# Altium PCB eRTM15_Baikal.PcbDoc (part 3 of 7)
Units mm, origin at the board's own origin, x right, y up, seen from the top; angles counter-clockwise.
Board outline 161.5 x 148.5 mm, 8 copper layers (Top Layer, RF_Layer_1, GND_PWR_Plane, RF_Layer_3, RF_Layer_4, GND_PWR_Plane_2, RF_Layer_6, Bottom Layer), stack 1.462 mm thick; 749 components, 528 nets, 2540 pads, 2420 vias.
Unrouted connection lines stored in the file: 24.
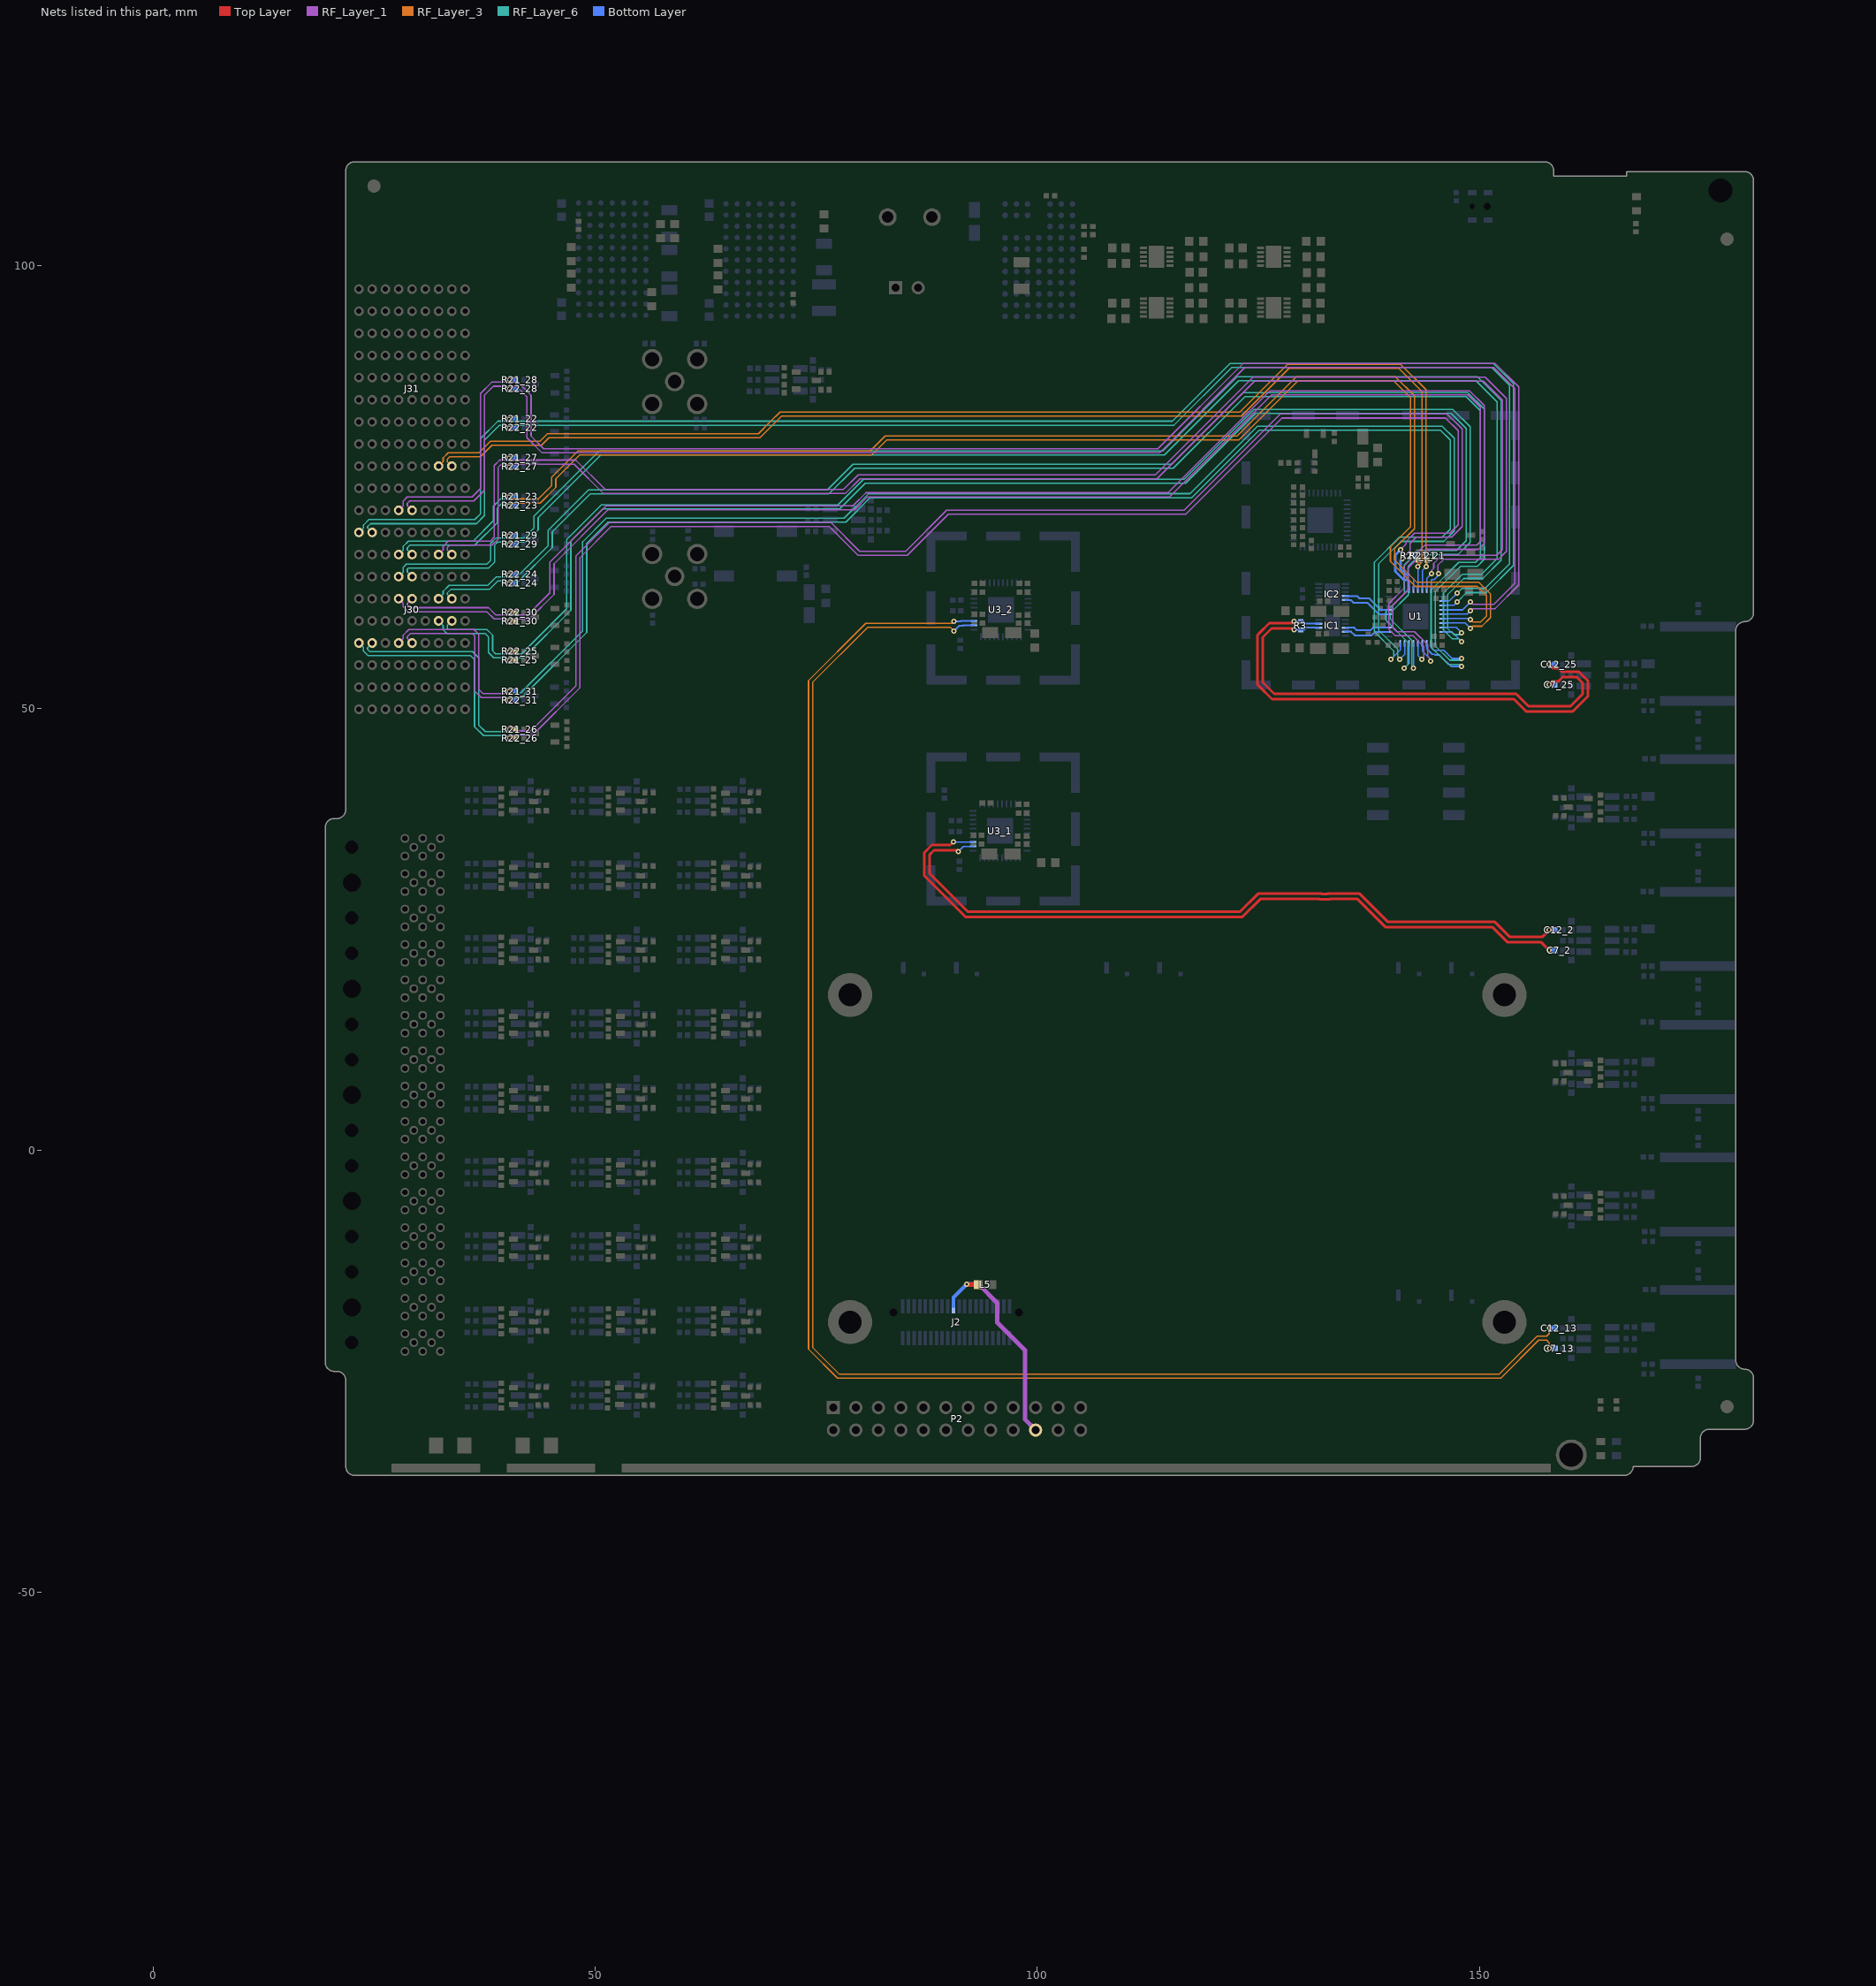
[diagram p9: the nets of this part, all layers, seen from the top]

## Footprints (in the part's own frame and the unit in brackets; to place one, negate y for a bottom-side part, rotate by r counter-clockwise, add the part's x,y. Pads: shape width x height; smd on the part's side, far side on the other; paste and mask are expansions set on the pad)
"4-pin Switch" [mm] "Microschalter fuer AMC-Modul"
  rect 1x0.6 smd: A(-0.9,1.55) B(-0.9,-1.55) C(0.9,1.55) D(0.9,-1.55)
  silkscreen extent -1.75,-2.3 1.75,2.85, body extent -1.75,-1.65 1.75,1.65, height 3.9
0603LED [mm] "ecommended by DESY ZE"
  rect 0.8x1 smd: 1(-0.8,0) 2(0.8,0)
  silkscreen extent -1.27,-0.76 1.65,0.76, body extent -0.8,-0.4 0.8,0.4, height 0.5
1206_ZE [mm]
  rect 1.6x1.8 smd: 1(-1.6,0) 2(1.6,0)
  silkscreen extent -2.5,-1.2 2.5,1.2, body extent -1.6,-0.8 1.6,0.8, height 1.5
ADI-CP-40-8_M [mm] "QFN, 40-Leads, Body 6x6mm, Pitch 0.5mm, Thermal Pad 2.9x2.9mm, IPC Low Density"
  oval 0.8x0.2 smd: 1(-3.05,2.25) 2(-3.05,1.75) 3(-3.05,1.25) 4(-3.05,0.75) 5(-3.05,0.25) 6(-3.05,-0.25) 7(-3.05,-0.75) 8(-3.05,-1.25) 9(-3.05,-1.75) 10(-3.05,-2.25) 21(3.05,-2.25) 22(3.05,-1.75) 23(3.05,-1.25) 24(3.05,-0.75) 25(3.05,-0.25) 26(3.05,0.25) 27(3.05,0.75) 28(3.05,1.25) 29(3.05,1.75) 30(3.05,2.25)
  oval 0.2x0.8 smd: 11(-2.25,-3.05) 12(-1.75,-3.05) 13(-1.25,-3.05) 14(-0.75,-3.05) 15(-0.25,-3.05) 16(0.25,-3.05) 17(0.75,-3.05) 18(1.25,-3.05) 19(1.75,-3.05) 20(2.25,-3.05) 31(2.25,3.05) 32(1.75,3.05) 33(1.25,3.05) 34(0.75,3.05) 35(0.25,3.05) 36(-0.25,3.05) 37(-0.75,3.05) 38(-1.25,3.05) 39(-1.75,3.05) 40(-2.25,3.05)
  rect 2.9x2.9 smd: 41(0,0)
  silkscreen extent -3.92,-3.15 3.15,3.15, body extent -3,-3 3,3, height 1
BGA77C127P7X11_900X1500X262 [mm] "BGA, 1.27mm Pitch, Rect.; 77 Pin, 7 Columns X 11 Rows, 9.00mm X 15.00mm X 2.62mm H"
  round 0.6 smd: A1(-3.81,6.35) A2(-2.54,6.35) A3(-1.27,6.35) A4(0,6.35) A5(1.27,6.35) A6(2.54,6.35) A7(3.81,6.35) B1(-3.81,5.08) B2(-2.54,5.08) B3(-1.27,5.08) B4(0,5.08) B5(1.27,5.08) B6(2.54,5.08) B7(3.81,5.08) C1(-3.81,3.81) C2(-2.54,3.81) C3(-1.27,3.81) C4(0,3.81) C5(1.27,3.81) C6(2.54,3.81) C7(3.81,3.81) D1(-3.81,2.54) D2(-2.54,2.54) D3(-1.27,2.54) D4(0,2.54) D5(1.27,2.54) D6(2.54,2.54) D7(3.81,2.54) E1(-3.81,1.27) E2(-2.54,1.27) E3(-1.27,1.27) E4(0,1.27) E5(1.27,1.27) E6(2.54,1.27) E7(3.81,1.27) F1(-3.81,0) F2(-2.54,0) F3(-1.27,0) F4(0,0) F5(1.27,0) F6(2.54,0) F7(3.81,0) G1(-3.81,-1.27) G2(-2.54,-1.27) G3(-1.27,-1.27) G4(0,-1.27) G5(1.27,-1.27) G6(2.54,-1.27) G7(3.81,-1.27) H1(-3.81,-2.54) H2(-2.54,-2.54) H3(-1.27,-2.54) H4(0,-2.54) H5(1.27,-2.54) H6(2.54,-2.54) H7(3.81,-2.54) J1(-3.81,-3.81) J2(-2.54,-3.81) J3(-1.27,-3.81) J4(0,-3.81) J5(1.27,-3.81) J6(2.54,-3.81) J7(3.81,-3.81) K1(-3.81,-5.08) K2(-2.54,-5.08) K3(-1.27,-5.08) K4(0,-5.08) K5(1.27,-5.08) K6(2.54,-5.08) K7(3.81,-5.08) L1(-3.81,-6.35) L2(-2.54,-6.35) L3(-1.27,-6.35) L4(0,-6.35) L5(1.27,-6.35) L6(2.54,-6.35) L7(3.81,-6.35)
  silkscreen extent -5.33,-7.5 4.5,7.5, body extent -4.5,-7.5 4.5,7.5, height 2.62
BMI-S-202-F [mm] "Standard two piece gasket, 16x16mm"
  rect 1x4.55 smd: 0(0.5,2.275) 0(0.5,15.025) 0(16.8,2.275) 0(16.8,15.025)
  rect 1x3.8 smd: 0(0.5,8.65) 0(16.8,8.65)
  rect 4.55x1 smd: 0(2.275,0.5) 0(2.275,16.8) 0(15.025,0.5) 0(15.025,16.8)
  rect 3.8x1 smd: 0(8.65,16.8) 0(8.65,0.5)
  body extent 0.1,0.1 17.21,17.21, height 12.8
CAPC0402(1005)60_M [mm] "Chip Capacitor, Body 1.0x0.5mm, Height 0.6mm, IPC Low Density"
  rect 0.72x0.72 smd: 1(-0.5,0) 2(0.5,0)
  body extent -0.55,-0.3 0.55,0.3, height 0.6
CAPC1005X55N [mm] "Chip Capacitor, Body 1.0x0.55mm, IPC Medium Density"
  rect 0.62x0.62 smd: 1(-0.45,0) 2(0.45,0)
  body extent -0.52,-0.27 0.53,0.28, height 0.55
CAPC1608X87N [mm] "Chip Capacitor, Body 1.6x0.8mm IPC Medium Density"
  rect 0.95x1 smd: 1(-0.8,0) 2(0.8,0)
  body extent -0.87,-0.47 0.88,0.48, height 0.87
CAPC1709X95N [mm] "Capacitor, non-Polarized, Chip; 1.65mm L X 0.85mm W X 0.95mm H,IPC Medium Density"
  rect 0.95x1 smd: 1(-0.75,0) 2(0.75,0)
  body extent -0.87,-0.47 0.88,0.48, height 0.95
CAPC3216X180N [mm] "Chip Capacitor, Body 3.2x1.6mm, IPC Medium Density"
  rect 1.15x1.8 smd: 1(-1.5,0) 2(1.5,0)
  silkscreen extent -0.55,-0.8 0.55,0.8, body extent -1.7,-0.9 1.7,0.9, height 1.8
CAPC3225X270N [mm] "Chip Capacitor, Body 3.2x2.5mm, IPC Medium Density"
  rect 1.15x2.7 smd: 1(-1.5,0) 2(1.5,0)
  silkscreen extent -0.55,-1.25 0.55,1.25, body extent -1.7,-1.35 1.7,1.35, height 2.7
CAPMP3216X180N [mm] "Capacitor, Polarized, Molded  Body 3.2x1.6mm, IPC Medium Density"
  rect 1.8x1.25 smd: 1(-1.3,0) 2(1.3,0)
  silkscreen extent -2.4,-0.7 0,1.2, body extent -1.7,-0.9 1.7,0.9, height 1.6
Coaxipack2 [mm]
  round 1 hole 0.6: 0(-5,9) 0(-5,11) 0(-5,13) 0(-3,9) 0(-3,11) 0(-3,13) 0(-1,9) 0(-1,11) 0(-1,13) 0(1,9) 0(1,11) 0(1,13) 0(3,9) 0(3,11) 0(3,13) 0(5,9) 0(5,11) 0(5,13) A/1A(4,10) A/1B(0,10) A/1C(-4,10) B/1A(4,12) B/1B(0,12) B/1C(-4,12)
  round 0 hole 1.5 unplated: ""(-4,3) ""(4,3)
  round 0 hole 2.05 unplated: ""(0,3)
  silkscreen extent -6,0.63 6,14, body extent -5.97,-6.5 5.98,13.75, height 9.3
"ERmet ZD 3-10 Connector 973028" [mm]
  round 1.1 hole 0.6: 1a(0,0) 1ab(0,-3) 1b(0,-1.5) 1c(0,-4.5) 1cd(0,-7.5) 1d(0,-6) 1e(0,-9) 1ef(0,-12) 1f(0,-10.5) 2a(2.5,0) 2ab(2.5,-3) 2b(2.5,-1.5) 2c(2.5,-4.5) 2cd(2.5,-7.5) 2d(2.5,-6) 2e(2.5,-9) 2ef(2.5,-12) 2f(2.5,-10.5) 3a(5,0) 3ab(5,-3) 3b(5,-1.5) 3c(5,-4.5) 3cd(5,-7.5) 3d(5,-6) 3e(5,-9) 3ef(5,-12) 3f(5,-10.5) 4a(7.5,0) 4ab(7.5,-3) 4b(7.5,-1.5) 4c(7.5,-4.5) 4cd(7.5,-7.5) 4d(7.5,-6) 4e(7.5,-9) 4ef(7.5,-12) 4f(7.5,-10.5) 5a(10,0) 5ab(10,-3) 5b(10,-1.5) 5c(10,-4.5) 5cd(10,-7.5) 5d(10,-6) 5e(10,-9) 5ef(10,-12) 5f(10,-10.5) 6a(12.5,0) 6ab(12.5,-3) 6b(12.5,-1.5) 6c(12.5,-4.5) 6cd(12.5,-7.5) 6d(12.5,-6) 6e(12.5,-9) 6ef(12.5,-12) 6f(12.5,-10.5) 7a(15,0) 7ab(15,-3) 7b(15,-1.5) 7c(15,-4.5) 7cd(15,-7.5) 7d(15,-6) 7e(15,-9) 7ef(15,-12) 7f(15,-10.5) 8a(17.5,0) 8ab(17.5,-3) 8b(17.5,-1.5) 8c(17.5,-4.5) 8cd(17.5,-7.5) 8d(17.5,-6) 8e(17.5,-9) 8ef(17.5,-12) 8f(17.5,-10.5) 9a(20,0) 9ab(20,-3) 9b(20,-1.5) 9c(20,-4.5) 9cd(20,-7.5) 9d(20,-6) 9e(20,-9) 9ef(20,-12) 9f(20,-10.5) 10a(22.5,0) 10ab(22.5,-3) 10b(22.5,-1.5) 10c(22.5,-4.5) 10cd(22.5,-7.5) 10d(22.5,-6) 10e(22.5,-9) 10ef(22.5,-12) 10f(22.5,-10.5)
  body extent -0.75,-12.55 24.2,11.75, height 12.2
"ESD 1&2" [mm] "ESD Strip, Segment 1 or 2"
  rect 10x1 smd paste-1 mask+0: 1(0,0)
"ESD 3" [mm] "ESD Strip, Segment 3"
  rect 105.1x1 smd paste-1 mask+0: 1(0,0)
  Top Layer region: 52.5,-0.5 57.2,-0.5 57.2,3.9 52.5,3.9
HDR1X2 [mm] "Connector; Header; 2 Position"
  rect 1.5x1.5 hole 0.9: 1(0,0)
  round 1.5 hole 0.9: 2(2.54,0)
  silkscreen extent -1.27,-1.27 3.81,1.27
HDR2X12 [mm] "Connector; Header; 12x2 Position"
  rect 1.5x1.5 hole 0.9: 1(0,0)
  round 1.5 hole 0.9: 2(0,2.54) 3(2.54,0) 4(2.54,2.54) 5(5.08,0) 6(5.08,2.54) 7(7.62,0) 8(7.62,2.54) 9(10.16,0) 10(10.16,2.54) 11(12.7,0) 12(12.7,2.54) 13(15.24,0) 14(15.24,2.54) 15(17.78,0) 16(17.78,2.54) 17(20.32,0) 18(20.32,2.54) 19(22.86,0) 20(22.86,2.54) 21(25.4,0) 22(25.4,2.54) 23(27.94,0) 24(27.94,2.54)
  silkscreen extent -1.27,-1.27 29.21,3.81
HUBER-SUHNER_82_SMA-50-0-41/133_NE [mm] "50 Ohm SMA Straight PCB Jack"
  round 2.2 hole 1.5: 1(0,0)
  round 2.3 hole 1.6: 2(-2.54,-2.54) 2(-2.54,2.54) 2(2.54,-2.54) 2(2.54,2.54)
  silkscreen extent -3.2,-3.2 3.2,3.2, body extent -3.2,-3.2 3.2,3.2, height 9.5
INDC1608X95N [mm] "Chip Inductor, 2-Leads, EIA 0603, Metric 1608, Body 1.6x0.8mm, IPC Medium Density"
  rect 0.95x1 smd: 1(-0.8,0) 2(0.8,0)
  body extent -0.87,-0.47 0.88,0.48, height 0.95
LGA71S127P7X11_900X1500X297 [mm] "LGA, 1.27mm pitch, rect., 71 pin, 7 columns X 11 rows, 9mm X 15mm X 2.97mm H"
  round 0.65 smd: A1(-3.81,6.35) A2(-2.54,6.35) A3(-1.27,6.35) A4(0,6.35) A5(1.27,6.35) A6(2.54,6.35) A7(3.81,6.35) B1(-3.81,5.08) B2(-2.54,5.08) B3(-1.27,5.08) B4(0,5.08) B5(1.27,5.08) B6(2.54,5.08) B7(3.81,5.08) C1(-3.81,3.81) C2(-2.54,3.81) C3(-1.27,3.81) C4(0,3.81) C5(1.27,3.81) C6(2.54,3.81) C7(3.81,3.81) D1(-3.81,2.54) D2(-2.54,2.54) D3(-1.27,2.54) D4(0,2.54) D5(1.27,2.54) D6(2.54,2.54) D7(3.81,2.54) E1(-3.81,1.27) E2(-2.54,1.27) E3(-1.27,1.27) E4(0,1.27) E5(1.27,1.27) E6(2.54,1.27) E7(3.81,1.27) F1(-3.81,0) F2(-2.54,0) F3(-1.27,0) F4(0,0) F5(1.27,0) F6(2.54,0) F7(3.81,0) G1(-3.81,-1.27) G2(-2.54,-1.27) G3(-1.27,-1.27) G4(0,-1.27) G5(1.27,-1.27) G6(2.54,-1.27) G7(3.81,-1.27) H1(-3.81,-2.54) H2(-2.54,-2.54) H3(-1.27,-2.54) H4(0,-2.54) H5(1.27,-2.54) H6(2.54,-2.54) H7(3.81,-2.54) J5(1.27,-3.81) J6(2.54,-3.81) J7(3.81,-3.81) K1(-3.81,-5.08) K2(-2.54,-5.08) K3(-1.27,-5.08) K5(1.27,-5.08) K6(2.54,-5.08) K7(3.81,-5.08) L1(-3.81,-6.35) L2(-2.54,-6.35) L3(-1.27,-6.35) L5(1.27,-6.35) L6(2.54,-6.35) L7(3.81,-6.35)
  silkscreen extent -5.33,-7.5 4.5,7.5, body extent -4.5,-7.5 4.5,7.5, height 2.97
MOLEX_85305-0232 [mm] "50 Ohms, SMP Surface Mount Plug, Limited Detent"
  rect 0.54x1.3 smd: 1(0,3.05)
  rect 0.5x0.5 smd paste-0.25 mask-0.25: 2(-2.35,2.35)
  Top Layer region: -2.6,-2.6 -2.6,2.6 -1,2.6 -1,1.732 -1.732,1 -2,0 -1.732,-1 -1,-1.732 0,-2 1,-1.732 1.732,-1 2,0 1.732,1 1,1.732 1,1.732 1,2.6 2.6,2.6 2.6,-2.6
  silkscreen extent -1.55,-1.55 1.55,2.1, body extent -2.54,-2.54 2.54,3.54, height 4.1
MSBOX_WURTH_36103305 [mm] "Shielding Cabinet SMD-Frame WE-SHC, Internal Dimensions 30 x 30mm"
  rect 1x2.3 smd: 1(-15.25,-13.6) 1(-15.25,13.6) 1(15.25,-13.6) 1(15.25,13.6)
  rect 1x2.6 smd: 1(-15.25,-8.75) 1(-15.25,-3.75) 1(-15.25,3.75) 1(-15.25,8.75) 1(15.25,-8.75) 1(15.25,-3.75) 1(15.25,3.75) 1(15.25,8.75)
  rect 3.3x1 smd: 1(-14.1,-15.25) 1(-14.1,15.25) 1(14.1,-15.25) 1(14.1,15.25)
  rect 2.6x1 smd: 1(-8.75,-15.25) 1(-8.75,15.25) 1(-3.75,-15.25) 1(-3.75,15.25) 1(3.75,-15.25) 1(3.75,15.25) 1(8.75,-15.25) 1(8.75,15.25)
  silkscreen extent -15.5,-15.5 15.5,15.5, body extent -15.5,-15.5 15.5,15.5, height 3.5
OSC_CRYSTEK_CVHD-950 [mm] "Oscillator, 5.08mm Pitch; 4 Pin, 14.2mm L X 9.14mm W X 5.3mm H, CVHD-950 Serie"
  rect 2.28x1.27 smd: 1(-3.555,2.54) 2(-3.555,-2.54) 3(3.555,-2.54) 4(3.555,2.54)
  silkscreen extent -5.37,-7.1 4.57,7.1, body extent -4.57,-7.1 4.57,7.1, height 5.3
RefPad_1.5mm [mm] "Reference Pad for SMD assembling (ZE)"
  round 1.5 smd mask+0.75: 1(0,0)
RESC1005X40N [mm] "Chip Resistor, EIA 0402, Metric 1005, Body 1.0x0.5mm, IPC Medium Density"
  rect 0.58x0.62 smd: 1(-0.47,0) 2(0.47,0)
  body extent -0.52,-0.27 0.53,0.28, height 0.4
RESC1608X55N [mm] "Chip Resistor, EIA 0603, Metric 1608, Body 1.6x0.8mm, IPC Medium Density"
  rect 0.9x1 smd: 1(-0.8,0) 2(0.8,0)
  body extent -0.87,-0.47 0.88,0.48, height 0.55
SAMTEC_LSS-120-03-L-DV-A [mm] "40 Contacts, Pitch 0.635mm, Razor Beam LSS Vertical High Speed Hermaphroditic Strip (Lead Style 5.49mm)"
  rect 0.4x1.6 smd: 1(6.032,-1.8) 2(6.032,1.8) 3(5.397,-1.8) 4(5.397,1.8) 5(4.763,-1.8) 6(4.763,1.8) 7(4.127,-1.8) 8(4.127,1.8) 9(3.492,-1.8) 10(3.492,1.8) 11(2.857,-1.8) 12(2.858,1.8) 13(2.222,-1.8) 14(2.223,1.8) 15(1.587,-1.8) 16(1.588,1.8) 17(0.952,-1.8) 18(0.953,1.8) 19(0.317,-1.8) 20(0.318,1.8) 21(-0.318,-1.8) 22(-0.317,1.8) 23(-0.953,-1.8) 24(-0.952,1.8) 25(-1.588,-1.8) 26(-1.587,1.8) 27(-2.223,-1.8) 28(-2.222,1.8) 29(-2.858,-1.8) 30(-2.857,1.8) 31(-3.492,-1.8) 32(-3.492,1.8) 33(-4.127,-1.8) 34(-4.127,1.8) 35(-4.763,-1.8) 36(-4.763,1.8) 37(-5.397,-1.8) 38(-5.397,1.8) 39(-6.032,-1.8) 40(-6.032,1.8)
  round 0.5 hole 0.9 unplated mask+0.2: P1(-7.1,1.1) P2(7.1,1.1)
  silkscreen extent -8.72,-2.82 8.72,2.14, body extent -8.72,-2.3 8.73,2.3, height 5.3
SON45P300X300X80-13N-R175X248 [mm] "SON, 0.45mm Pitch; 12 Pin, 3.00mm W X 3.00mm L X 0.80mm H Body (w/Thermal tab 1.75 x 2.48mm), IPC Medium Density"
  rect 0.8x0.25 smd: 1(-1.5,1.125) 2(-1.5,0.675) 3(-1.5,0.225) 4(-1.5,-0.225) 5(-1.5,-0.675) 6(-1.5,-1.125) 7(1.5,-1.125) 8(1.5,-0.675) 9(1.5,-0.225) 10(1.5,0.225) 11(1.5,0.675) 12(1.5,1.125)
  rect 1.75x2.45 smd paste-0.37: 13(0,0)
  silkscreen extent -2.52,1 -2.27,1.25, body extent -1.5,-1.5 1.5,1.5, height 0.8
SON50P300X300X80-11N-R175X248 [mm] "SON, 0.50mm Pitch, 10-pin, 3.00mm W  X 3.00mm L X 0.80mm Height, (w/thermal tab 1.75 X 2.48 mm), IPC Medium Density"
  rect 0.8x0.3 smd: 1(-1.5,1) 2(-1.5,0.5) 3(-1.5,0) 4(-1.5,-0.5) 5(-1.5,-1) 6(1.5,-1) 7(1.5,-0.5) 8(1.5,0) 9(1.5,0.5) 10(1.5,1)
  rect 1.75x2.48 smd: 11(0,0)
  silkscreen extent -2.52,0.88 -2.27,1.12, body extent -1.5,-1.5 1.5,1.5, height 0.8
SOT95P230X110-3N [mm] "SOT23, 3 pin, Pitch 0.95mm - 1.3mm W X 2.9mm L X 1.1mm H, IPC Medium Density"
  rect 1x0.6 smd: 1(-1.15,0.95) 2(-1.15,-0.95) 3(1.15,0)
  silkscreen extent -1.53,-1.45 0.33,1.87, body extent -1.17,-1.5 1.33,1.5, height 1.1
SW_CTS_219-4MST [mm] "Pitch 2.54mm, Body 6.7 x 11.63mm, 4 Ways SPST Surface-Mounting DIP Switch, CTS 219 Series"
  rect 2.44x1.13 smd: 1(-4.3,3.81) 2(-4.3,1.27) 3(-4.3,-1.27) 4(-4.3,-3.81) 5(4.3,-3.81) 6(4.3,-1.27) 7(4.3,1.27) 8(4.3,3.81)
  silkscreen extent -3.35,-5.82 3.35,5.82, body extent -4.95,-5.81 4.96,5.82, height 4.3
TELEGARTNER_J01151A0451 [mm] "SMA 50 ohm Edge Mount Bulkhead Jack Receptacle"
  rect 1.5x1 smd: 1(0,0)
  rect 8.6x1.1 smd: 2(5.65,-4.2) 2(5.65,4.2)
  Keep-Out Layer board cut-out: 1.35,-3.55 1.09,-3.491 0.881,-3.324 0.765,-3.084 0.765,-2.816 0.881,-2.576 1.09,-2.409 1.35,-2.35 1.35,-2.35 1.35,2.35 1.09,2.409 0.881,2.576 0.765,2.816 0.765,3.084 0.881,3.324 1.09,3.491 1.35,3.55 1.35,3.55 9.95,3.55 9.95,-3.55
  silkscreen extent 1.1,-4.75 21.45,4.75, body extent -0.65,-4.75 21.45,4.75, height 5.25
WIELAND_25.161.0253.0 [mm] "Terminal Block, Pitch 5mm, 2 Positions, Screw Connection"
  round 2 hole 1.3: 1(-2.5,0) 2(2.5,0)
  silkscreen extent -5.68,-4.75 5.18,4.75, body extent -5.67,-4.75 5.18,4.75, height 15
XFMR_MINI-CIRCUITS_DB1627 [mm] "MINI-CIRCUITS RF Transformer, Case DB1627 - Body 4.06X3.81mm"
  rect 0.76x1.65 smd: 1(-1.27,1.59) 2(0,1.59) 3(1.27,1.59) 4(1.27,-1.59) 5(0,-1.59) 6(-1.27,-1.59)
  silkscreen extent -2.3,-0.37 1.91,1.73, body extent -1.9,-2.03 1.91,2.03, height 4.06

## Part data
C1 C2 C3 C4 C5 C6 C16 C77 C78 C79 C80 C81 C82 C83 C84 C85 C86 C87 C88 C89 C90 C91 C92 C93 C94 C95 C96 C97: library part CC0402_100PF_50V_5%_C0G, "Non-polarised capacitor", Case=0402, Manufacturer=GENERIC, Manufacturer1 ComponentHeight=0.55mm, Manufacturer1 Example=KEMET, Manufacturer1 Part Number=C0402C102J5RACTU, Part Number=CC0402_1000PF_50V_5%_C0G, Tolerance=±5%, Voltage=50V, Author="CERN DEM JLC", Component Type=Standard, CreateDate=2007-12-03, HelpURL="\\cern.ch\dfs\Applications\Altium\Datasheets\CC0805_C0G_KEMET_(Commercial Grade).pdf", LatestRevisionDate=2015-04-22, Manufacturer Part Number=CC0402_100PF_50V_5%_C0G, Mounted=Yes, Part Description="SMD Multilayer Chip Ceramic Capacitor", Pin Count=2, Sense=No, SMD=Yes, Socket=No, Status=Preferred, TC=C0G/NP0
C7_1 C7_2 C7_3 C7_4 C7_5 C7_6 C7_7 C7_8 C7_9 C7_10 C7_11 C7_12 C7_13 C7_14 C7_15 C7_16 C7_17 C7_18 C7_19 C7_20 C7_21 C7_22 C7_23 C7_24 C7_25 C7_26 C7_27 C7_28 C7_29 C7_30 C7_31 C7_32 C7_33 C7_34 C7_35 C12_1 C12_2 C12_3 C12_4 C12_5 C12_6 C12_7 C12_8 C12_9 C12_10 C12_11 C12_12 C12_13 C12_14 C12_15 C12_16 C12_17 C12_18 C12_19 C12_20 C12_21 C12_22 C12_23 C12_24 C12_25 C12_26 C12_27 C12_28 C12_29 C12_30 C12_31 C12_32 C12_33 C12_34 C12_35 C17_1 C17_2 C17_3 C17_4 C17_5 C17_6 C17_7 C17_8 C17_9 C17_10 C17_11 C17_12 C17_13 C17_14 C17_15 C17_16 C17_17 C17_18 C17_19 C17_20 C17_21 C17_22 C17_23 C17_24 C17_25 C17_26 C17_27 C17_28 C17_29 C17_30 C17_31 C17_32 C17_33 C17_34 C17_35: library part CC0402_1NF_50V_10%_X7R, "Non-polarised capacitor", Case=0402, Manufacturer=GENERIC, Manufacturer1 ComponentHeight=0.55mm, Manufacturer1 Example=PHYCOMP, Manufacturer1 Part Number=223858715623, Tolerance=±10%, Voltage=50V, Author="CERN DEM JLC", Component Type=Standard, CreateDate=2007-12-03, HelpURL=\\cern.ch\dfs\Applications\Altium\Datasheets\CC0402_X7R_PHYCOMP.pdf, LatestRevisionDate=2007-12-03, Manufacturer Part Number=CC0402_1NF_50V_10%_X7R, Mounted=Yes, Part Description="SMD Multilayer Chip Ceramic Capacitor", Part Number=CC0402_1NF_50V_10%_X7R, Pin Count=2, Sense=No, SMD=Yes, Socket=No, Status="Not Recommended", TC=X7R
C8_1 C8_2 C8_3 C8_4 C8_5 C8_6 C8_7 C8_8 C8_9 C8_10 C8_11 C8_12 C8_13 C8_14 C8_15 C8_16 C8_17 C8_18 C8_19 C8_20 C8_21 C8_22 C8_23 C8_24 C8_25 C8_26 C8_27 C8_28 C8_29 C8_30 C8_31 C8_32 C8_33 C8_34 C8_35 C13_1 C13_2 C13_3 C13_4 C13_5 C13_6 C13_7 C13_8 C13_9 C13_10 C13_11 C13_12 C13_13 C13_14 C13_15 C13_16 C13_17 C13_18 C13_19 C13_20 C13_21 C13_22 C13_23 C13_24 C13_25 C13_26 C13_27 C13_28 C13_29 C13_30 C13_31 C13_32 C13_33 C13_34 C13_35: library part CMP-1034-00013-1, "CAP 0.5pF 10V ±0.1pF 0402 (1005 Metric) Thickness 0.6mm SMD", Case-EIA=0402, Case-Metric=1005, Rated Voltage="10 V", Tolerance=±0.1pF, Max Thickness="0.6 mm", Technology=SMT
C9_1 C9_2 C9_3 C9_4 C9_5 C9_6 C9_7 C9_8 C9_9 C9_10 C9_11 C9_12 C9_13 C9_14 C9_15 C9_16 C9_17 C9_18 C9_19 C9_20 C9_21 C9_22 C9_23 C9_24 C9_25 C9_26 C9_27 C9_28 C9_29 C9_30 C9_31 C9_32 C9_33 C9_34 C9_35 C10_1 C10_2 C10_3 C10_4 C10_5 C10_6 C10_7 C10_8 C10_9 C10_10 C10_11 C10_12 C10_13 C10_14 C10_15 C10_16 C10_17 C10_18 C10_19 C10_20 C10_21 C10_22 C10_23 C10_24 C10_25 C10_26 C10_27 C10_28 C10_29 C10_30 C10_31 C10_32 C10_33 C10_34 C10_35 C37 C98 C99 C100: library part CC0402_100PF_50V_5%_C0G, "Non-polarised capacitor", Case=0402, Manufacturer=GENERIC, Manufacturer1 ComponentHeight=0.55mm, Manufacturer1 Example=KEMET, Manufacturer1 Part Number=C0402C101J5GACTU, Tolerance=±5%, Voltage=50V, Author="CERN DEM JLC", Component Type=Standard, CreateDate=2007-12-03, HelpURL="\\cern.ch\dfs\Applications\Altium\Datasheets\CC0805_C0G_KEMET_(Commercial Grade).pdf", LatestRevisionDate=2015-04-22, Manufacturer Part Number=CC0402_100PF_50V_5%_C0G, Part Description="SMD Multilayer Chip Ceramic Capacitor", Part Number=CC0402_100PF_50V_5%_C0G, Pin Count=2, Sense=No, SMD=Yes, Socket=No, Status=Preferred, TC=C0G/NP0
  C9_1 C9_2 C9_3 C9_4 C9_5 C9_6 C9_7 C9_8 C9_9 C9_10 C9_11 C9_12 C9_13 C9_14 C9_15 C9_16 C9_17 C9_18 C9_19 C9_20 C9_21 C9_22 C9_23 C9_24 C9_25 C9_26 C9_27 C9_28 C9_29 C9_30 C9_31 C9_32 C9_33 C9_34 C9_35 C10_1 C10_2 C10_3 C10_4 C10_5 C10_6 C10_7 C10_8 C10_9 C10_10 C10_11 C10_12 C10_13 C10_14 C10_15 C10_16 C10_17 C10_18 C10_19 C10_20 C10_21 C10_22 C10_23 C10_24 C10_25 C10_26 C10_27 C10_28 C10_29 C10_30 C10_31 C10_32 C10_33 C10_34 C10_35: Mounted=DNP
  C37 C98 C99 C100: Mounted=Yes
C11_1 C11_2 C18 C19 C25_1 C25_2 C34 C35 C36 C38 C50_1 C50_2 C51_1 C51_2: library part CC0402_10NF_16V_10%_X7R, "Non-polarised capacitor", Case=0402, Manufacturer=GENERIC, Manufacturer1 ComponentHeight=0.55mm, Manufacturer1 Example=PHYCOMP, Manufacturer1 Part Number=223878715636, Tolerance=±10%, Voltage=16V, Author="CERN DEM JLC", Component Type=Standard, CreateDate=2007-12-03, HelpURL=\\cern.ch\dfs\Applications\Altium\Datasheets\CC0402_X7R_PHYCOMP.pdf, LatestRevisionDate=2007-12-03, Manufacturer Part Number=CC0402_10NF_16V_10%_X7R, Mounted=Yes, Part Description="SMD Multilayer Chip Ceramic Capacitor", Part Number=CC0402_10NF_16V_10%_X7R, Pin Count=2, Sense=No, SMD=Yes, Socket=No, Status="Not Recommended", TC=X7R
C14 C20 C22 C24 C39 C52_1 C52_2: library part CTE3216-18_10UF_10V_10%_LESR1800, "Polarised capacitor", Case=A, Manufacturer=GENERIC, Manufacturer1 ComponentHeight=1.8mm, Manufacturer1 Example=AVX, Manufacturer1 Part Number=TPSA106K010R1800, Tolerance=±10%, Voltage=10V, Author="CERN DEM JLC", Component Type=Standard, CreateDate=2008-05-05, HelpURL=\\cern.ch\dfs\Applications\Altium\Datasheets\CTE-LESR_AVX_TPS.pdf, LatestRevisionDate=2009-01-20, Manufacturer Part Number=CTE3216-18_10UF_10V_10%_LESR1800, Mounted=Yes, Part Description="Low ESR 1R8 Solid Tantalum Chip Capacitor", Part Number=CTE3216-18_10UF_10V_10%_LESR1800, Pin Count=2, Sense=No, SMD=Yes, Socket=No, Status=Preferred
C15 C21 C23 C28 C29 C30 C31 C32 C33 C40 C41 C42 C43 C44 C45 C53_1 C53_2 C54_1 C54_2 C55_1 C55_2 C56_1 C56_2 C57_1 C57_2 C58_1 C58_2 C59_1 C59_2 C59_3 C59_4 C59_5 C59_6 C59_7 C59_8 C59_9 C59_10 C59_11 C59_12 C59_13 C59_14 C59_15 C59_16 C59_17 C59_18 C59_19 C59_20 C59_21 C59_22 C59_23 C59_24 C59_25 C59_26 C59_27 C59_28 C59_29 C59_30 C59_31 C59_32 C59_33 C59_34 C59_35 C59_36 C59_37 C59_38 C59_39 C59_40 C59_41 C59_42 C59_43: library part CC0402_100NF_16V_10%_X7R, "Non-polarised capacitor", Case=0402, Manufacturer=GENERIC, Manufacturer1 ComponentHeight=0.55mm, Manufacturer1 Example=MURATA, Manufacturer1 Part Number=GRM155R71C104KA88D, Tolerance=±10%, Voltage=16V, Author="CERN DEM JLC", Component Type=Standard, CreateDate=2013-12-05, HelpURL=\\cern.ch\dfs\Applications\Altium\Datasheets\CC0402_X7R_MURATA_GRM.pdf, LatestRevisionDate=2007-12-03, Manufacturer Part Number=CC0402_100NF_16V_10%_X7R, Mounted=Yes, Part Description="SMD Multilayer Chip Ceramic Capacitor", Part Number=CC0402_100NF_16V_10%_X7R, Pin Count=2, Sense=No, SMD=Yes, Socket=No, Status="Not Recommended", TC=X7R
C26 C46 C48 C49 C64 C66 C69 C70 C72 C73 C75 C76: library part CC0603_4.7UF_16V_10%_X5R, "Non-polarised capacitor", Case=0603, Manufacturer=GENERIC, Manufacturer1 ComponentHeight=0.95mm, Manufacturer1 Example="TAIYO YUDEN", Manufacturer1 Part Number=EMK107ABJ475KA-T, Tolerance=±10%, Voltage=16V, Author="CERN DEM JLC", Component Type=Standard, CreateDate=2013-12-16, HelpURL=\\cern.ch\dfs\Applications\Altium\Datasheets\CC0603_X7R_TAIYO-YUDEN_HIGH-VALUE.pdf, LatestRevisionDate=2014-09-16, Manufacturer Part Number=CC0603_4.7UF_16V_10%_X5R, Mounted=Yes, Part Description="SMD Multilayer Chip Ceramic Capacitor", Part Number=CC0603_4.7UF_16V_10%_X5R, Pin Count=2, Sense=No, SMD=Yes, Socket=No, Status=None, TC=X5R
C27: library part CC1210_22UF_25V_10%_X5R, "Non-polarised capacitor", Case=1210, Manufacturer=GENERIC, Manufacturer1 ComponentHeight=2.79mm, Manufacturer1 Example=AVX, Manufacturer1 Part Number=12103D226KAT2A, Tolerance=±10%, Voltage=25V, Author="CERN DEM JLC", Component Type=Standard, CreateDate=2014-11-12, HelpURL=\\cern.ch\dfs\Applications\Altium\Datasheets\CC1210_X5R_AVX.pdf, LatestRevisionDate=2014-11-12, Manufacturer Part Number=CC1210_22UF_25V_10%_X5R, Mounted=Yes, Part Description="SMD Multilayer Chip Ceramic Capacitor", Part Number=CC1210_22UF_25V_10%_X5R, Pin Count=2, Sense=No, SMD=Yes, Socket=No, Status=Preferred, TC=X5R
C47 C60 C61: library part CC1206_47UF_25V_20%_X5R, "Non-polarised capacitor", Case=1206, Manufacturer=TDK, Manufacturer Part Number=C3216X5R1E476M160AC, Tolerance=±20%, Voltage=25V, Author="CERN DEM JLC", ComponentHeight=1.8mm, Component Type=Standard, CreateDate=2013-11-20, HelpURL=\\cern.ch\dfs\Applications\Altium\Datasheets\CC1206_X5R_TDK_C.pdf, LatestRevisionDate=2013-11-20, Mounted=Yes, Part Description="SMD Multilayer Chip Ceramic Capacitor", Part Number=CC1206_47UF_25V_20%_X5R, Pin Count=2, Sense=No, SMD=Yes, Socket=No, Status=None, TC=X5R
C62: library part CC1206_100UF_6.3V_20%_X5R, "Non-polarised capacitor", Case=1206, Manufacturer=GENERIC, Manufacturer1 ComponentHeight=1.8mm, Manufacturer1 Example=KEMET, Manufacturer1 Part Number=C1206C107M9PACTU, Tolerance=±10%, Voltage=6.3V, Author="CERN DEM JLC", Component Type=Standard, CreateDate=2012-09-26, HelpURL=\\cern.ch\dfs\Applications\Altium\Datasheets\CC1206_X5R_KEMET.pdf, LatestRevisionDate=2012-09-26, Manufacturer Part Number=CC1206_100UF_6.3V_20%_X5R, Mounted=Yes, Part Description="SMD Multilayer Chip Ceramic Capacitor", Part Number=CC1206_100UF_6.3V_20%_X5R, Pin Count=2, Sense=No, SMD=Yes, Socket=No, Status=None, TC=X5R
C63 C68 C71 C74: library part CC0603_10UF_6.3V_20%_X5R, "Non-polarised capacitor", Case=0603, Manufacturer=GENERIC, Manufacturer1 ComponentHeight=0.95mm, Manufacturer1 Example=KEMET, Manufacturer1 Part Number=C0603C106M9PAC, Manufacturer Part Number=CC0603_10uF_6.3V_20%_X5R, Tolerance=±20%, Voltage=6.3V, Author="CERN DEM JLC", Component Type=Standard, CreateDate=2007-12-03, HelpURL=\\cern.ch\dfs\Applications\Altium\Datasheets\CC0603_X5R_KEMET.pdf, LatestRevisionDate=2007-12-03, Mounted=Yes, Part Description="SMD Multilayer Chip Ceramic Capacitor", Part Number=CC0603_10UF_6.3V_20%_X5R, Pin Count=2, Sense=No, SMD=Yes, Socket=No, Status=Preferred, TC=X5R
C65: library part CC1206_22UF_10V_10%_X7R, "Non-polarised capacitor", Case=1206, Manufacturer=GENERIC, Manufacturer1 ComponentHeight=1.8mm, Manufacturer1 Example=MURATA, Manufacturer1 Part Number=GRM31CR71A226KE15L, Tolerance=±10%, Voltage=10V, Author="CERN DEM JLC", Component Type=Standard, CreateDate=2010-06-08, HelpURL=\\cern.ch\dfs\Applications\Altium\Datasheets\CC1206_X7R_MURATA_GRM-HI-CAP.pdf, LatestRevisionDate=2010-06-08, Manufacturer Part Number=CC1206_22UF_10V_10%_X7R, Mounted=Yes, Part Description="SMD Multilayer Chip Ceramic Capacitor", Part Number=CC1206_22UF_10V_10%_X7R, Pin Count=2, Sense=No, SMD=Yes, Socket=No, Status=Preferred, TC=X7R